# Altium PCB 电解模块主控板_V1.1_ZM_20210918.PcbDoc (part 1 of 2)
Units mil, origin at the board's own origin, x right, y up, seen from the top; angles counter-clockwise.
Board outline 5915.54 x 3947.37 mil, 2 copper layers (Top Layer, Bottom Layer); 205 components, 153 nets, 686 pads, 1093 vias.
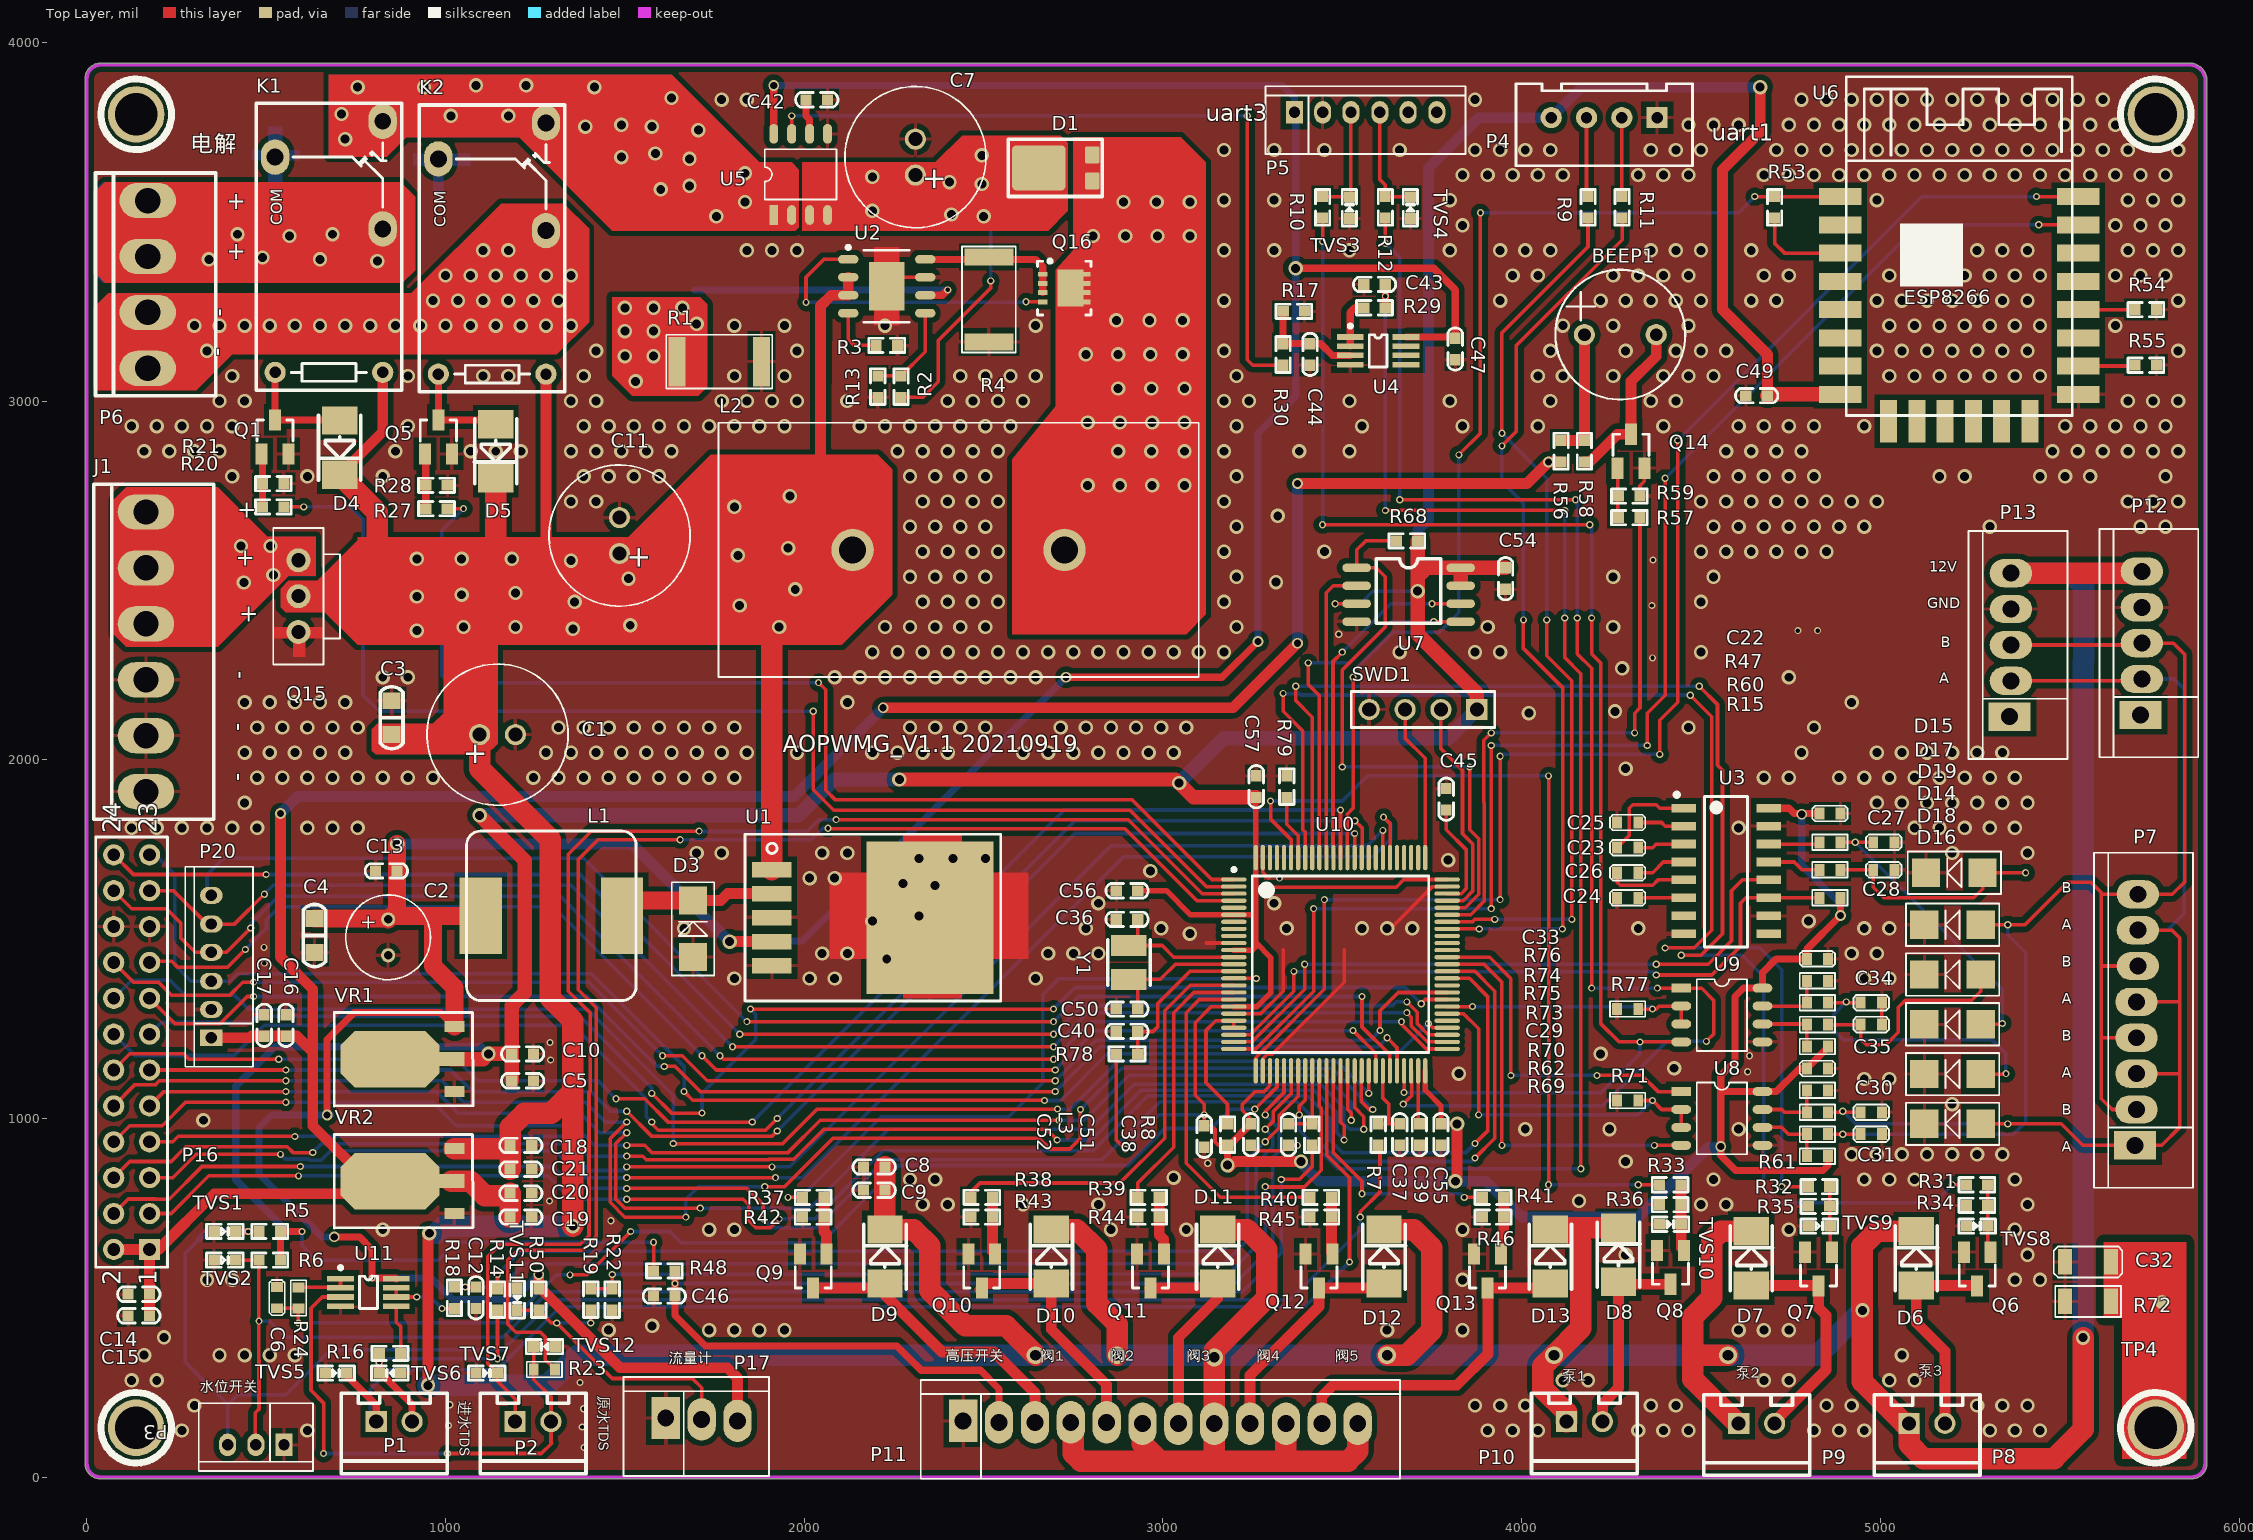
[diagram p0: Top Layer view]
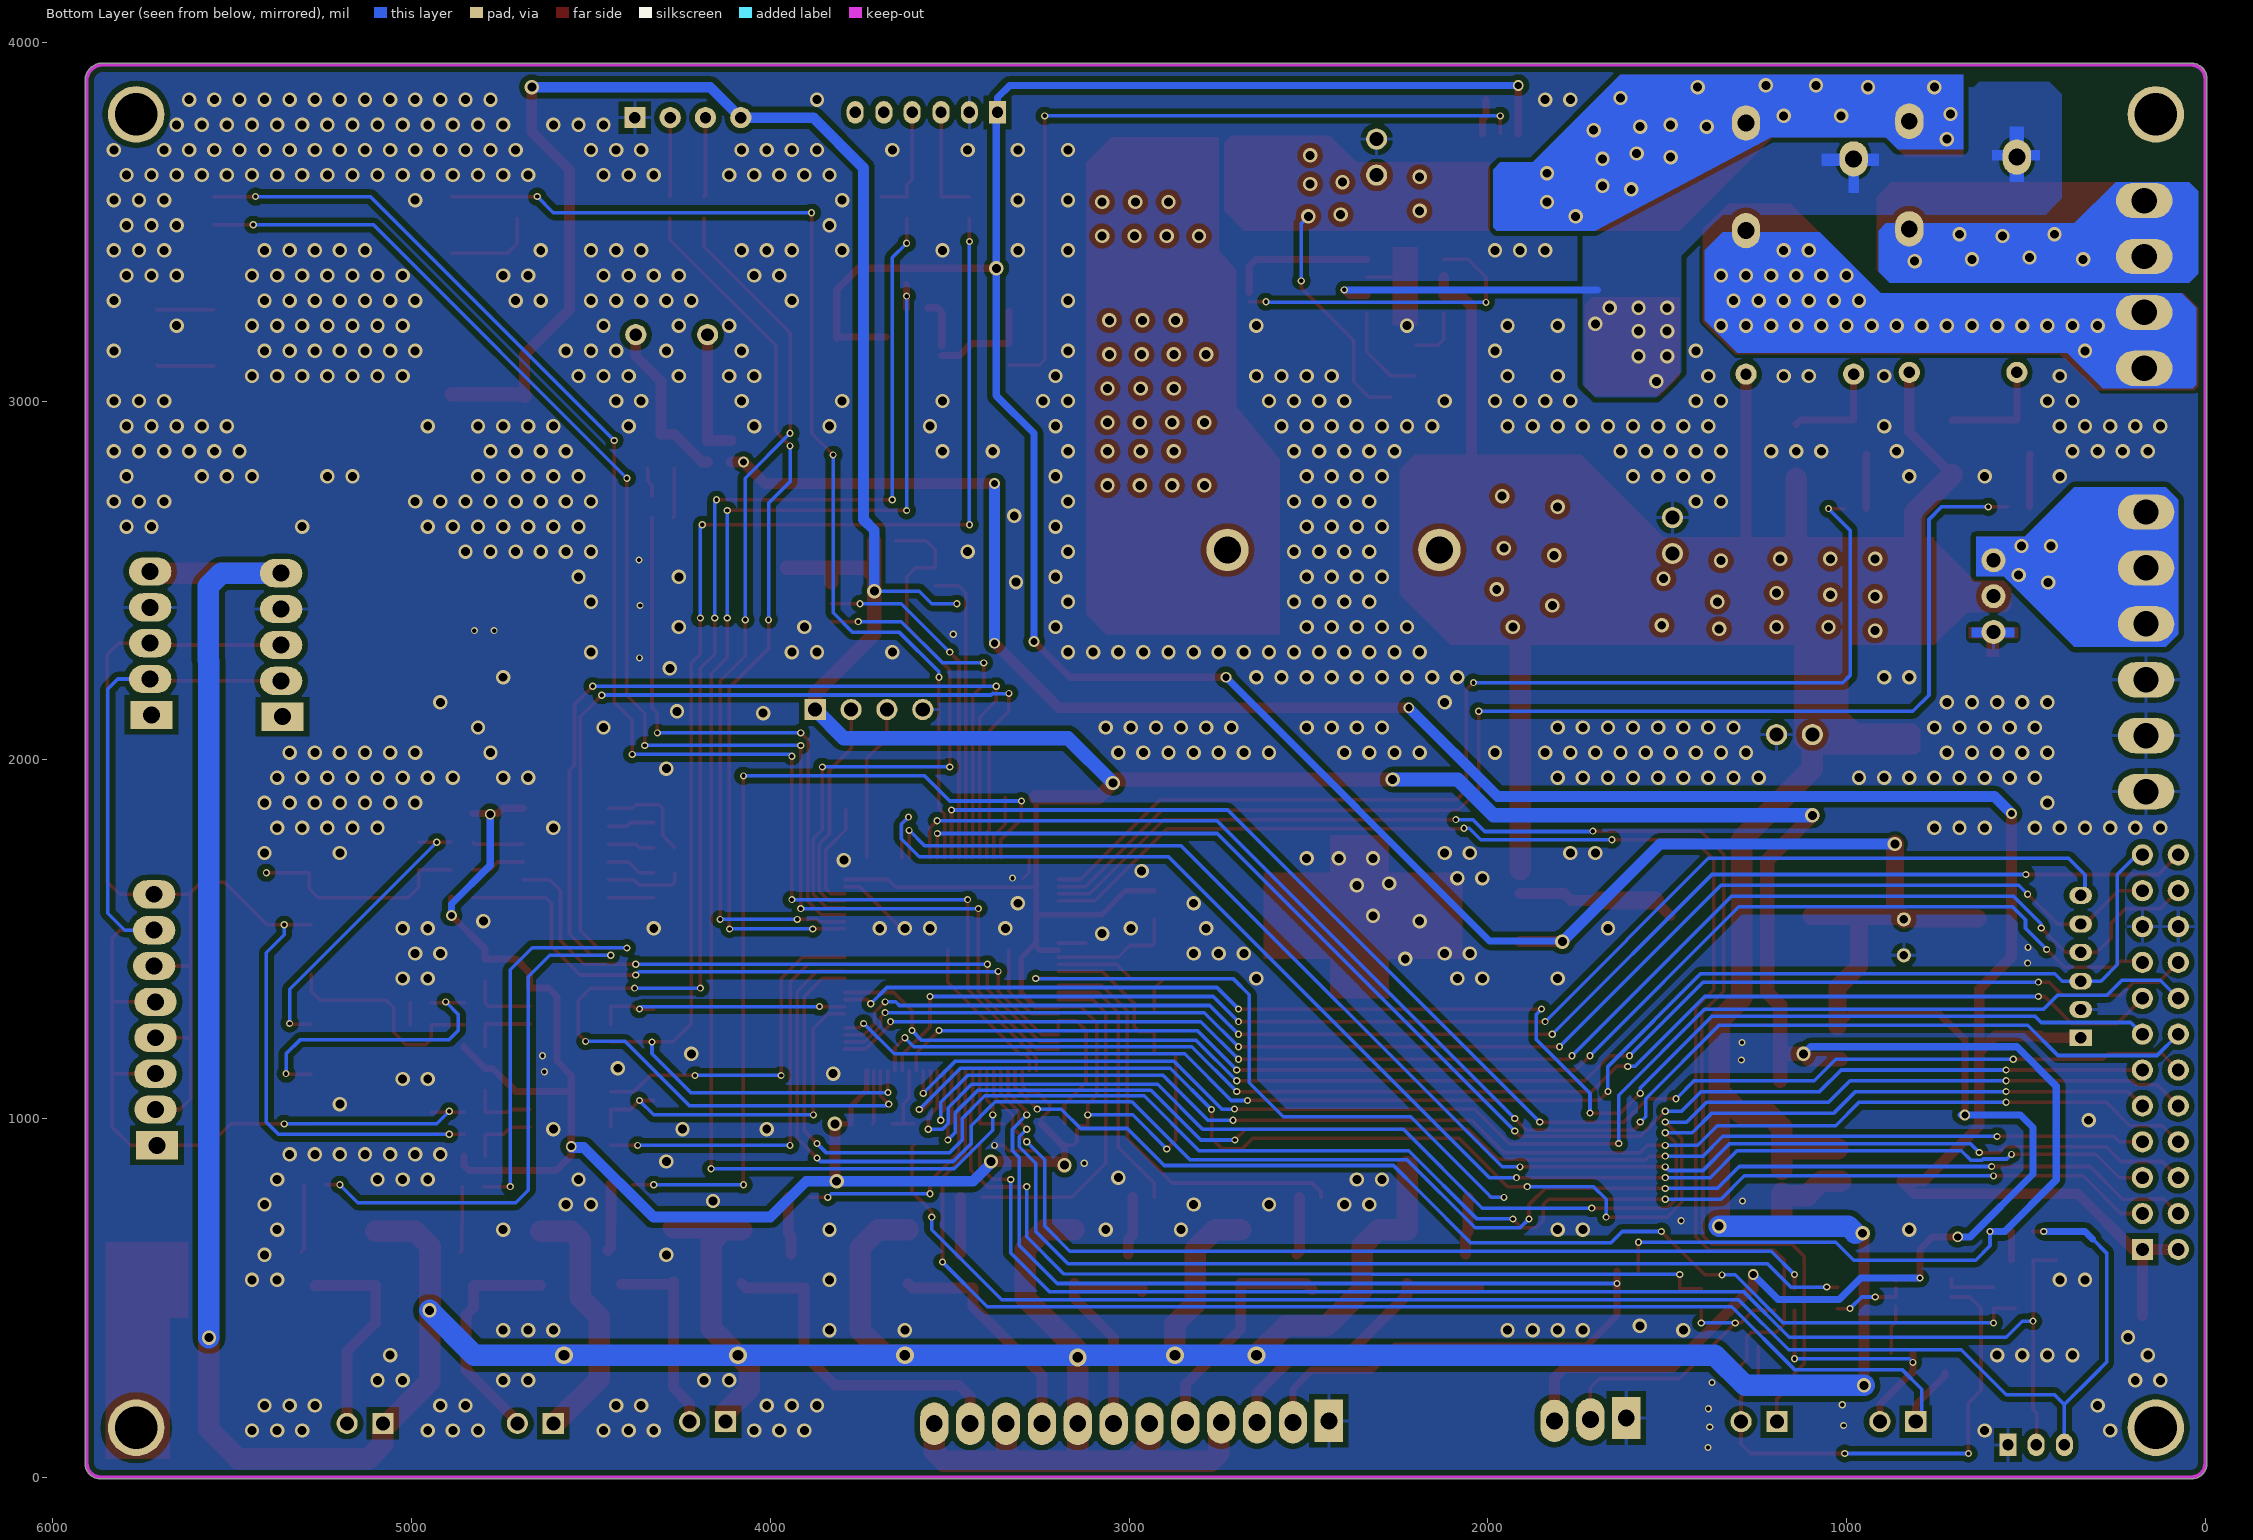
[diagram p1: Bottom Layer view, seen from below]
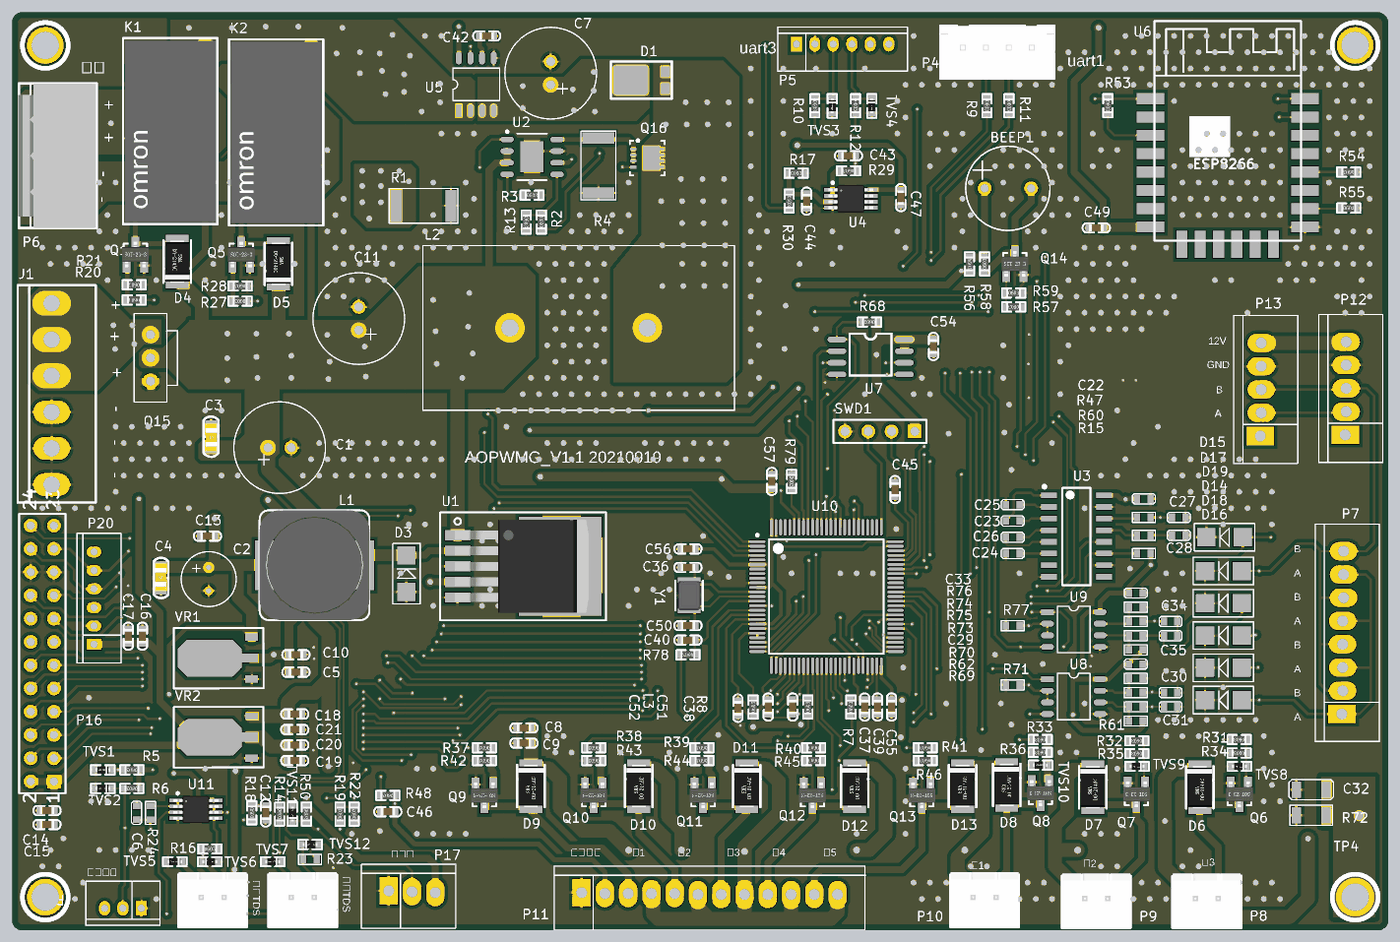
[diagram p3: 3D render of the assembled board from above, using the file's embedded part models]

## Layer stack, top to bottom
Top Layer: signal copper 1.4
Dielectric: dielectric 12.6, FR-4, Dk 4.8
Bottom Layer: signal copper 1.4

## Board outline
-5.01,39.37 ccw(c39.37,39.37) 39.37,-5.01 5866.14,-5.01 ccw(c5866.14,39.37) 5910.53,39.37 5910.53,3897.64 ccw(c5905.51,3897.64) 5910.49,3898.25 ccw(c5860.57,3892.07) 5854.7,3942.02 39.37,3942.02 ccw(c39.37,3897.64) -5.01,3897.64

## Design rules (kind name [scope] priority, off if disabled: settings)
Clearance Clearance_2 [InNet('NetC32_2')] p1: gap=20
Clearance Clearance_1 [InPolygon] p2: gap=15
Clearance [All] p3: gap=6
NetAntennae [All] p1: netantennaetolerance=200
PolygonConnect PolygonConnect_2 [InNet('NetC32_2')] p1: connectstyle=Direct reliefconductorwidth=10 reliefentries=4 polygonreliefangle="90 Angle"
PolygonConnect PolygonConnect_1 [isvia] p2: connectstyle=Direct reliefconductorwidth=10 reliefentries=4 polygonreliefangle="90 Angle"
PolygonConnect [All] p3: connectstyle=Relief reliefconductorwidth=10 reliefentries=4 polygonreliefangle="90 Angle"
RoutingVias [All] p1: holewidth=12 width=24 viastyle="Through Hole" minholewidth=8 minwidth=8 maxholewidth=200 maxwidth=200
SilkscreenOverComponentPads SilkToSolderMaskClearance [IsPad] p1: minsilkscreentomaskgap=2
SolderMaskExpansion [All] p1: expansion=4
Width [All] p1: maxlimit=360 minlimit=10 preferedwidth=10
26 further rules are at their usual default settings.

## Classes and differential pairs
component class 02_Power: C1 C2 C3 C4 C5 C8 C9 C10 C13 C14 C15 C16 C17 C18 C19 C20 C21 D3 J1 L1 Q15 U1 VR1 VR2
component class 04_Sensor: C6 C12 C37 C38 C47 P1 P2 P3 P17 R5 R6 R7 R8 R14 R16 R18 R19 R22 R23 R24 R50 TVS1 TVS2 TVS5 TVS6 TVS7 TVS11 TVS12 U11
component class com: C22 C23 C24 C25 C26 C27 C28 C29 C30 C31 C32 C33 C34 C35 D14 D15 D16 D17 D18 D19 P7 P12 P13 R15 R47 R60 R61 R62 R69 R70 R71 R72 R73 R74 R75 R76 R77 TP4 U3 U8 U9
component class 05_USART: P4 P5 R9 R10 R11 R12 TVS3 TVS4
component class cpu: C36 C39 C40 C45 C50 C51 C52 C55 C56 C57 L3 R78 R79 SWD1 U10 Y1
component class 07_EL_CON: C7 C11 C42 C43 C44 D1 D4 D5 K1 K2 L2 P6 Q1 Q5 Q16 R1 R2 R3 R4 R13 R17 R20 R21 R27 R28 R29 R30 U2 U4 U5
component class 08_Peripherals: C46 D6 D7 D8 D9 D10 D11 D12 D13 P8 P9 P10 P11 Q6 Q7 Q8 Q9 Q10 Q11 Q12 Q13 R31 R32 R33 R34 R35 R36 R37 R38 R39 R40 R41 R42 R43 R44 R45 R46 R48 TVS8 TVS9 TVS10
component class 10_Wifi: C49 R53 R54 R55 U6
component class 11_Speak: BEEP1 BP1 Q14 R56 R57 R58 R59
component class 13_SPI_Flash: C54 R68 U7
component class 15_LCD: P16 P20

## Components (designator, comment, footprint, x,y, rotation, side; value= is the part's Value field where it differs from the comment)
BEEP1 "BEEP-9.5X5.5" BEEP-9.5X5.5 4275,3185 r0 top
C1 "1000uF/35V" 10*16 1145,2070 r180 top
C2 "100uF/35V" 6*8 840,1505 r90 top
C3 "104 50V" SMD-0805C 850,2117.24 r270 top
C4 "104 50V" SMD-0805C 635,1510 r90 top
C5 "10uF 25V" SMD-0603C 1215,1105 r180 top
C6 "NC" 0603C 530,530 r270 top
C7 "1000uF/35V" 10*16 2310,3680 r270 top
C8 "10uF25V" SMD-0603C 2195,865 r0 top
C9 "104 50V" SMD-0603C 2195,800 r0 top
C10 "104 50V" SMD-0603C 1215,1180 r180 top
C11 "1000uF/35V" 10*16 1485,2625 r270 top
C12 "NC" SMD-0603C 1085,500 r90 top
C13 "104 50V" SMD-0603C 835,1690 r0 top
C14 "10uF25V" SMD-0603C 145,510 r0 top
C15 "104 50V" SMD-0603C 145,450 r0 top
C16 "10uF25V" SMD-0603C 555,1259.47 r270 top
C17 "104 50V" SMD-0603C 494.47,1259.47 r270 top
C18 "10uF 25V" SMD-0603C 1210,925 r180 top
C19 "104 50V" SMD-0603C 1210,725 r180 top
C20 "10uF25V" SMD-0603C 1210,791.67 r180 top
C21 "104 50V" SMD-0603C 1210,858.33 r180 top
C22 "104 50V" 0603C 4830,1850 r0 top
C23 "104 50V" 0603C 4265.94,1755 r0 top
C24 "104 50V" 0603C 4325,1615 r180 top
C25 "104 50V" 0603C 4325,1825 r180 top
C26 "104 50V" 0603C 4265.94,1685 r0 top
C27 "220PF/16V" 0603C 4980,1770 r0 top
C28 "220PF/16V" 0603C 4980,1693.33 r0 top
C29 "104 50V" 0603C 4795,1139.44 r0 top
C30 "220PF/16V" 0603C 4945,1017.22 r0 top
C31 "220PF/16V" 0603C 4945,956.11 r0 top
C32 "1NF/2KV" 1206C 5515,600 r0 top
C33 "104 50V" 0603C 4795,1445 r0 top
C34 "220PF/16V" 0603C 4945,1322.78 r0 top
C35 "220PF/16V" 0603C 4945,1261.67 r0 top
C36 "12P/50V" SMD-0603C 2900,1555 r180 top
C37 "104 50V" SMD-0603C 3660,955 r90 top
C38 "104 50V" SMD-0603C 3350,955 r90 top
C39 "4.7uF/10V/NC" SMD-0603C 3715,955 r90 top
C40 "1uF/10V" SMD-0603C 2900,1242.5 r0 top
C42 "104 50V" SMD-0603C 2035,3840 r0 top
C43 "NC" SMD-0603C 3590,3325 r0 top
C44 "104 50V" SMD-0603C 3410,3130 r270 top
C45 "4.7uF/10V/NC" SMD-0603C 3790,1890 r270 top
C46 "104 50V" SMD-0603C 1610,505 r0 top
C47 "10uF 10V" SMD-0603C 3815,3145 r90 top
C49 "104 50V" SMD-0603C 4655,3015 r0 top
C50 "12P/50V" SMD-0603C 2900,1305 r180 top
C51 "104 50V" SMD-0603C 3245,955 r90 top
C52 "104 50V" SMD-0603C 3115,950 r90 top
C54 "104 50V" SMD-0603C 3955,2505 r270 top
C55 "104 50V" SMD-0603C 3775,955 r90 top
C56 "104 50V" SMD-0603C 2900,1635 r0 top
C57 "104 50V" SMD-0603C 3260,1925 r270 top
D1 "SB1545L" TO227 2675,3650 r90 top
D3 "SS34" SMA 1690,1450 r90 top
D4 "1N4007" DO-214-AC 705,2870 r270 top
D5 "1N4007" DO-214-AC 1140,2860 r270 top
D6 "1N4007" DO-214-AC 5100,610 r90 top
D7 "1N4007" DO-214-AC 4640,610 r90 top
D8 "1N4007" DO-214-AC 4270,620 r90 top
D9 "1N4007" DO-214-AC 2225,615 r90 top
D10 "1N4007" DO-214-AC 2688.75,615 r90 top
D11 "1N4007" DO-214-AC 3152.5,615 r90 top
D12 "1N4007" DO-214-AC 3616.25,615 r90 top
D13 "1N4007" DO-214-AC 4080,615 r90 top
D14 "SMAJ18CA" SMA 5280,1262.5 r180 top
D15 "SMAJ18CA" SMA 5285,1685 r180 top
D16 "SMAJ6.5CA" SMA 5280,985 r180 top
D17 "SMAJ6.5CA" SMA 5280,1540 r180 top
D18 "SMAJ6.5CA" SMA 5280,1123.75 r180 top
D19 "SMAJ6.5CA" SMA 5280,1401.25 r180 top
J1 "HEADER_6" VH-AW-3.96*6P 165,2145 r90 top
K1 "G5Q-14-DC12" G5Q-14 675,3430 r90 top
K2 "G5Q-14-DC12" G5Q-14 1130,3425 r90 top
L1 "33uH" CDRH-127 1295,1565 r180 top
L2 "33uH/15A" INDUCTOR_34*18 2135,2585 r0 top
L3 "MPZ1608D101BTA00" SMD-0603 3180,955 r90 top
P1 "XH2.54 2P" SIP-2A 857,155 r0 top
P2 "XH2.54 2P" SIP-2A 1244,155 r0 top
P3 "1*3P" 3X2MMZ 550,90 r180 top
P4 "1*4P" XH2.54-4A 4230,3790 r180 top
P5 "Header 6" 6X2MMZ 3366.56,3804.75 r0 top
P6 "SIP-4" VH-AW-3.96*4P 170,3325 r90 top
P7 "Header 8" 8X2.54MMZ 5710,925 r90 top
P8 "SIP-2" SIP-2A 5130,150 r0 top
P9 "SIP-2" SIP-2A 4655,150 r0 top
P10 "SIP-2" SIP-2A 4175,155 r0 top
P11 "Header 12" 12X2.54MMZ 2443,157 r0 top
P12 "Header 5" 5X2.54MMZ 5725,2125 r90 top
P13 "Header 5" 5X2.54MMZ 5360,2120 r90 top
P16 "Header 12X2" HDR2X12 175,635 r90 top
P17 "1*3P" 3X2.54MMZ2 1614,165 r0 top
P20 "Header 6" 6X2MMZ 347,1225 r90 top
Q1 "SS8050" SOT-23 525,2900 r0 top
Q5 "SS8050" SOT-23 980,2900 r0 top
Q6 "AO3400" SOT-23 5270,580 r180 top
Q7 "AO3400" SOT-23 4827.5,580 r180 top
Q8 "AO3400" SOT-23 4415,585 r180 top
Q9 "SS8050" SOT-23 2025,575 r180 top
Q10 "SS8050" SOT-23 2495,575 r180 top
Q11 "SS8050" SOT-23 2965,575 r180 top
Q12 "SS8050" SOT-23 3435,575 r180 top
Q13 "SS8050" SOT-23 3905,575 r180 top
Q14 "S8050" SOT-23 4305,2860 r0 top
Q15 "AOTF4185" TO220 590,2356 r90 top
Q16 "AON7506" DFN3*3-8 2725,3315 r270 top
R1 "0.03/1w" 2512R 1645,3110 r0 top
R2 "23.2K/1%" SMD-0603 2270,3040 r90 top
R3 "38.3K/1%" SMD-0603 2230,3155 r0 top
R4 "0.027/1%" 2512r 2515,3401.22 r270 top
R5 "10K" SMD-0603 510,685 r180 top
R6 "10K" SMD-0603 510,605 r180 top
R7 "10K" SMD-0603 3600,955 r90 top
R8 "10K" SMD-0603 3415,955 r90 top
R9 "10R" SMD-0603 4185,3540 r270 top
R10 "100R" SMD-0603 3445,3540 r270 top
R11 "10R" SMD-0603 4280,3540 r270 top
R12 "100R" SMD-0603 3620,3540 r270 top
R13 "1K/1%" SMD-0603 2205,3040 r270 top
R14 "2K" SMD-0603 1145,495 r270 top
R15 "4.75K 1%" 0603R 4889.06,1615 r180 top
R16 "10K" SMD-0603 845,345 r0 top
R17 "10K" SMD-0603 3365,3250 r180 top
R18 "4.7K" SMD-0603 1025,500 r270 top
R19 "10K" SMD-0603 1405,495 r90 top
R20 "1K" SMD-0603 520,2705 r180 top
R21 "47K" SMD-0603 520,2770 r180 top
R22 "20K" SMD-0603 1465,495 r90 top
R23 "2K" 0603R 1305,300 r180 top
R24 "4.7K" 0603R 590,470 r90 top
R27 "1K" SMD-0603 975,2700 r180 top
R28 "47K" SMD-0603 975,2765 r180 top
R29 "100R" SMD-0603 3590,3260 r180 top
R30 "10K" SMD-0603 3335,3130 r270 top
R31 "100R" SMD-0603 5269,815 r180 top
R32 "100R" SMD-0603 4829,810 r180 top
R33 "100R" SMD-0603 4414,815 r180 top
R34 "10K" SMD-0603 5269,757.5 r180 top
R35 "10K" SMD-0603 4829,755 r180 top
R36 "10K" SMD-0603 4414,760 r180 top
R37 "1K" SMD-0603 2025,780 r180 top
R38 "1K" SMD-0603 2495,780 r180 top
R39 "1K" SMD-0603 2960,780 r180 top
R40 "1K" SMD-0603 3440,780 r180 top
R41 "1K" SMD-0603 3920,780 r180 top
R42 "10K" SMD-0603 2025,725 r180 top
R43 "10K" SMD-0603 2495,725 r180 top
R44 "10K" SMD-0603 2960,725 r180 top
R45 "10K" SMD-0603 3440,725 r180 top
R46 "10K" SMD-0603 3920,725 r180 top
R47 "22R 5%" 0603R 4830,1770 r0 top
R48 "10K" SMD-0603 1610,575 r180 top
R50 "10K" SMD-0603 1260,495 r270 top
R53 "1K" SMD-0603 4705,3540 r270 top
R54 "NC" SMD-0603 5740,3255 r180 top
R55 "1K" SMD-0603 5740,3100 r0 top
R56 "51R" SMD-0603 4110,2860 r270 top
R57 "4.7K" SMD-0603 4300,2675 r180 top
R58 "1K" SMD-0603 4175,2860 r90 top
R59 "47K" SMD-0603 4300,2735 r0 top
R60 "22R 5%" 0603R 4830,1693.33 r0 top
R61 "750R 5%" 0603R 4795,895 r0 top
R62 "FSMD010-0603" 0603R 4795,1017.22 r0 top
R68 "4.7K" SMD-0603 3680,2610 r180 top
R69 "FSMD010-0603" 0603R 4795,956.11 r0 top
R70 "750R 5%" 0603R 4795,1078.33 r0 top
R71 "10K 1%" 0603R 4325,1050 r180 top
R72 "10M 5%" 1206r 5515,490 r0 top
R73 "750R 5%" 0603R 4795,1200.56 r0 top
R74 "FSMD010-0603" 0603R 4795,1322.78 r0 top
R75 "FSMD010-0603" 0603R 4795,1261.67 r0 top
R76 "750R 5%" 0603R 4795,1383.89 r0 top
R77 "10K 1%" 0603R 4325,1305 r180 top
R78 "10K" SMD-0603 2900,1180 r180 top
R79 "100K" SMD-0603 3345,1925 r270 top
SWD1 "SIP-4 (NC)" SIP-4 3725,2140 r180 top
TP4 "TPS" tpd 5785,488 r90 top
TVS1 "ESD5Z5.0CT1G" SOD-523 385,685 r0 top
TVS2 "ESD5Z5.0CT1G" SOD-523 385,605 r0 top
TVS3 "ESD5Z5.0CT1G" SOD-523 3520,3539 r90 top
TVS4 "ESD5Z5.0CT1G" SOD-523 3690,3539 r90 top
TVS5 "ESD5Z5.0CT1G" SOD-523 695,290 r0 top
TVS6 "ESD5Z5.0CT1G" SOD-523 845,290 r180 top
TVS7 "ESD5Z5.0CT1G" SOD-523 1115,290 r0 top
TVS8 "ESD5Z5.0CT1G" SOD-523 5270,700 r0 top
TVS9 "ESD5Z5.0CT1G" SOD-523 4830,700 r0 top
TVS10 "ESD5Z5.0CT1G" SOD-523 4415,705 r0 top
TVS11 "ESD5Z5.0CT1G" SOD-523 1200,495 r270 top
TVS12 "ESD5Z5.0CT1G" SOD-523 1276,364 r180 top
U1 "LM2596S 5.0V" TO-263-5 1910,1560 r270 top
U2 "OC6781" SOP127P600X265_HS-9N 2230,3320 r0 top
U3 "TPT3232E-SO3R" SO-16Z 4451.5,1865 r0 top
U4 "SGM358YMS/TR" MSOP-8 3600,3140 r0 top
U5 "ACS712ELCTR-20A-T" SO-8 1915,3518.62 r90 top
U6 "ESP-12F" ESP-12F 4880,3570 r0 top
U7 "W25Q128FVSIG" SO-8W 3540,2535 r0 top
U8 "TP8485E-SR" SO-8 4445,1075 r0 top
U9 "TP8485E-SR" SO-8 4445,1363.34 r0 top
U10 "GD32F405VGTx" STM-LQFP100_N 3495,1430 r0 top
U11 "SGM358YMS/TR" MSOP-8 785,515 r0 top
VR1 "LM1117 3.3V" SOT223 1025,1075 r90 top
VR2 "LM1117 5.0V" SOT223 1025,735 r90 top
Y1 "8MHz" XTAL-3225-2 2905,1435 r90 top
